# KiCad board ENV_KB_RGB.kicad_pcb (continued)
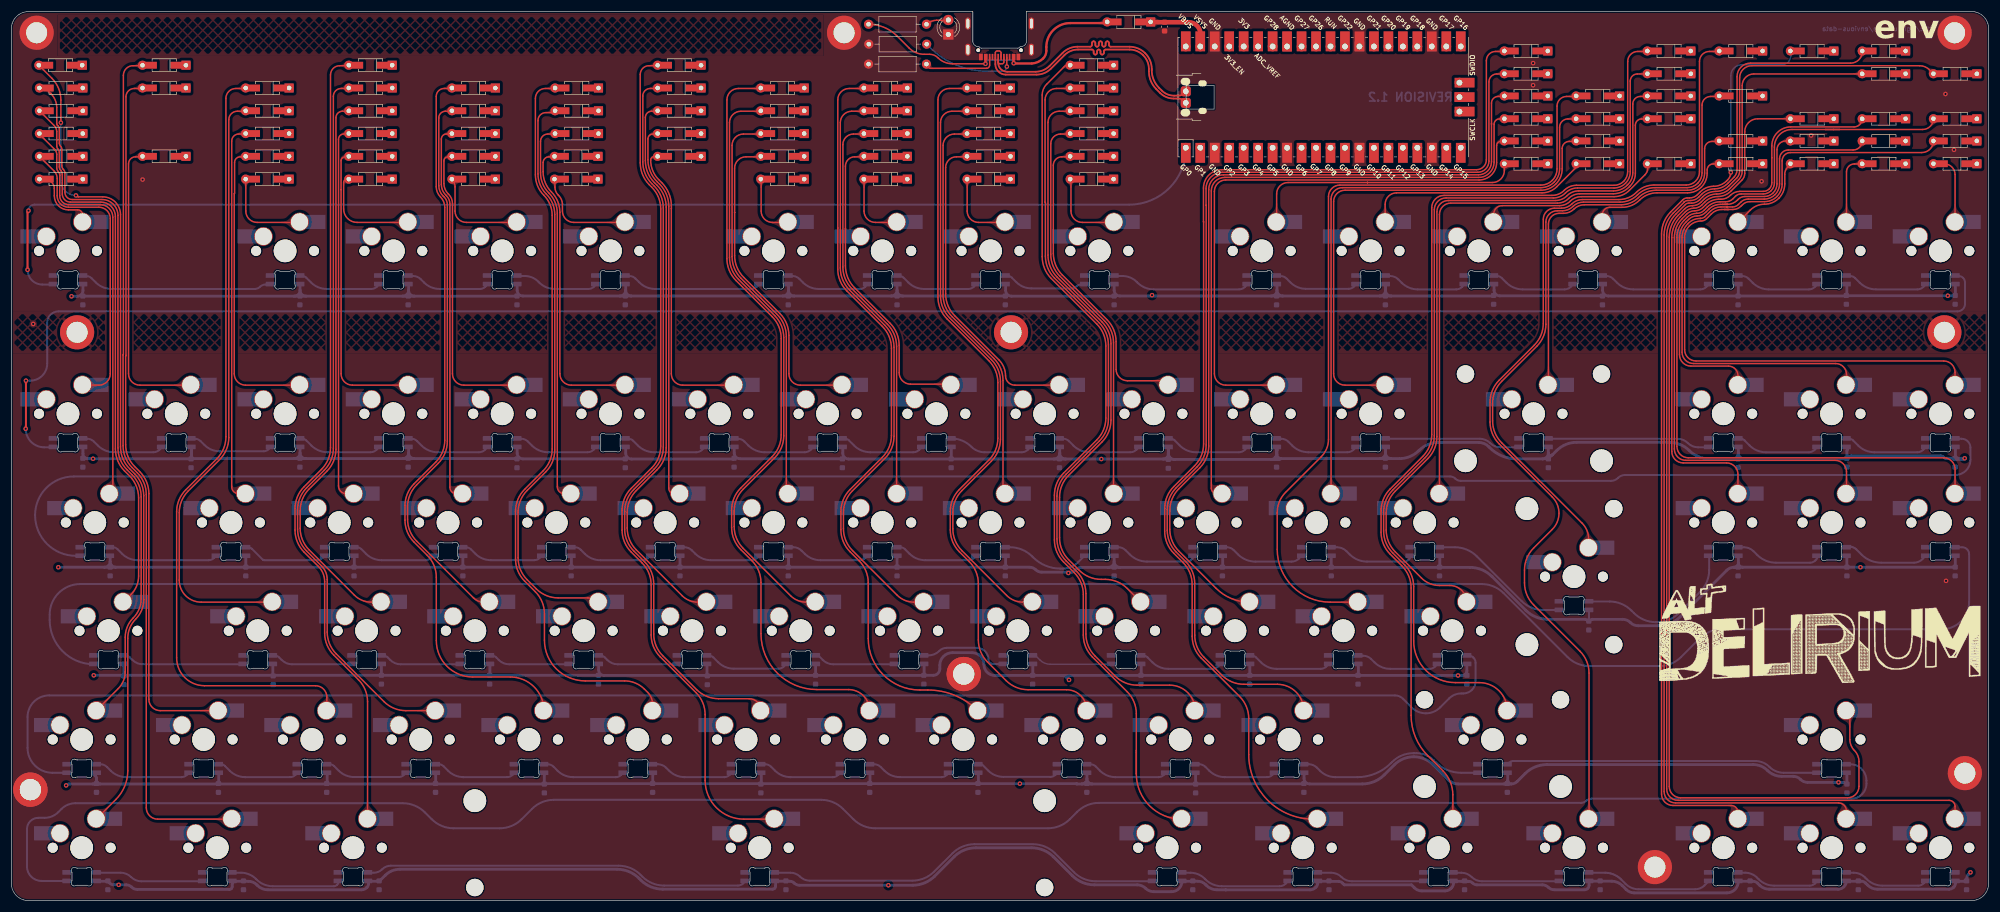
[diagram p0: board, top side]
## Routing (per net, layer and track width the routed paths; a pad name or vN(x,y) marks a point on that pad's centre or on a via; arc(x,y) is an arc through that point) (continued)
col11: length 150.5
  In2.Cu w0.25: 246.79,132.19 245.92,131.31 arc(245.26,130.87) 244.48,130.72 244,130.72 arc(243.67,130.65) 243.38,130.46 arc(243.1,130.27) 242.77,130.21 241.71,130.21 arc(241.38,130.14) 241.1,129.95 arc(240.82,129.77) 240.49,129.7 239.43,129.7 arc(239.09,129.63) 238.81,129.44 arc(238.53,129.26) 238.2,129.19 234.6,129.19 arc(234.27,129.12) 233.99,128.94 arc(233.71,128.75) 233.37,128.68 232.31,128.68 arc(231.98,128.62) 231.7,128.43 arc(231.42,128.24) 231.09,128.18 230.03,128.18 arc(229.7,128.11) 229.42,127.92 arc(229.13,127.73) 228.8,127.67 227.74,127.67 arc(227.41,127.6) 227.13,127.41 arc(226.85,127.23) 226.52,127.16 222.92,127.16 arc(222.58,127.09) 222.3,126.91 arc(222.02,126.72) 221.69,126.65 220.63,126.65 arc(220.3,126.58) 220.02,126.4 arc(219.74,126.21) 219.4,126.14 219,126.14 arc(218.3,126) 217.7,125.6 216.97,124.87 arc(216.03,123.47) 215.7,121.81 215.7,116.54 ; 221.15,30.13 221.15,14.65 arc(221.37,13.55) 222,12.61 ; 211.72,49.08 211.72,41.8 arc(212.14,39.72) 213.32,37.96 220.46,30.81 ; 216.25,115.99 216.25,112.95 arc(216.18,112.58) 215.97,112.28 arc(215.77,111.97) 215.7,111.61 215.7,87.97 ; 216.12,87.54 216.12,85.56 arc(215.76,83.73) 214.73,82.18 207.77,75.22 arc(206.59,73.46) 206.17,71.37 206.17,68.91 ; 210.94,49.87 208.34,52.46 arc(207.16,54.22) 206.75,56.3 206.75,68.34
col12: length 94.8
  In2.Cu w0.25: 225.22,70.03 225.22,71.02 arc(225.61,72.97) 226.71,74.62 233.94,81.85 arc(235,83.43) 235.38,85.31 235.38,87.34 ; 235.25,116.04 235.25,111.46 arc(235.18,111.13) 235,110.85 arc(234.81,110.58) 234.75,110.25 234.75,87.97 ; 251.87,132.19 251.87,130.28 arc(251.66,129.23) 251.07,128.34 arc(250.18,127.74) 249.12,127.53 244.87,127.53 arc(237.71,124.57) 234.75,117.41 ; 229.99,49.87 227.89,51.96 arc(226.71,53.72) 226.3,55.8 226.3,64.84 arc(226.16,65.55) 225.76,66.14 arc(225.36,66.74) 225.22,67.44
col13: length 126.2
  In2.Cu w0.25: 246.65,11.76 248.86,13.97 arc(249.3,14.62) 249.45,15.4 arc(249.6,16.17) 250.04,16.82 253.2,19.98 arc(254.03,21.23) 254.32,22.69 arc(254.62,24.16) 255.45,25.4 255.84,25.8 arc(256.66,27.02) 256.95,28.47 256.95,30.04 ; 249.04,49.87 249.04,53.14 arc(248.62,55.22) 247.44,56.99 246.59,57.84 arc(245.41,59.6) 245,61.68 245,68.19 ; 254.77,115.56 254.77,110.58 arc(254.36,108.5) 253.18,106.74 251.89,105.45 arc(250.71,103.68) 250.3,101.6 250.3,82.43 arc(249.89,80.35) 248.71,78.59 245.87,75.75 arc(244.69,73.98) 244.27,71.9 244.27,68.91 ; 253.8,116.54 253.8,131.14 arc(253.88,131.54) 254.11,131.88 ; 249.77,49.13 249.77,41.98 arc(250.19,39.9) 251.37,38.14 255.29,34.21 arc(255.95,33.23) 256.18,32.07
col14: length 170.5
  In2.Cu w0.25: 263.32,87.97 263.32,99.07 arc(263.74,101.16) 264.92,102.92 272.08,110.08 arc(273.19,111.74) 273.57,113.7 273.57,115.81 ; 264.12,87.16 264.12,80.58 arc(264.54,78.5) 265.72,76.74 268.85,73.6 arc(270.03,71.84) 270.45,69.75 270.45,55.8 arc(270.32,55.17) 269.97,54.64 arc(269.61,54.1) 269.48,53.47 269.48,51.21 arc(269.72,50) 270.41,48.97 arc(271.44,48.28) 272.66,48.03 274.31,48.03 arc(275.34,47.83) 276.21,47.25 arc(276.8,46.37) 277,45.34 277,21.88 arc(276.59,19.8) 275.41,18.04 274.17,16.8 arc(273.65,16.45) 273.04,16.33 arc(272.43,16.21) 271.91,15.86 271.41,15.36 arc(270.71,14.32) 270.47,13.09 ; 244.25,149.97 245.11,149.11 arc(245.79,148.65) 246.59,148.5 247.09,148.5 arc(247.42,148.43) 247.7,148.24 arc(247.98,148.05) 248.32,147.99 251.92,147.99 arc(252.25,147.92) 252.53,147.73 arc(252.81,147.55) 253.14,147.48 253.67,147.48 arc(254.49,147.32) 255.19,146.85 255.2,146.84 arc(255.67,146.14) 255.83,145.31 255.83,128.06 arc(257.6,123.79) 261.88,122.02 267.37,122.02 arc(271.24,120.41) 272.85,116.54
col15: length 178.1
  In2.Cu w0.25: 246.79,149.97 247.53,149.23 arc(248.34,148.69) 249.3,148.5 252.17,148.5 arc(252.5,148.43) 252.78,148.24 arc(253.06,148.05) 253.4,147.99 253.93,147.99 arc(254.75,147.82) 255.44,147.36 255.58,147.22 arc(256.14,146.38) 256.34,145.39 256.34,128.42 arc(258.08,124.21) 262.3,122.47 292.4,122.47 arc(295.41,121.22) 296.66,118.21 296.66,116.54 ; 297.1,88.4 297.1,116.1 ; 297.2,12.3 297.2,68.38 ; 297.27,69.53 297.27,87.35
col16: length 192.7
  In2.Cu w0.25: 316.25,116 316.25,31.35 ; 316.1,12.15 316.1,30.43 ; 251.87,149.97 252.73,149.11 arc(253.41,148.65) 254.21,148.5 arc(255,148.34) 255.68,147.88 255.96,147.61 arc(256.62,146.62) 256.85,145.46 256.85,128.87 arc(258.59,124.66) 262.8,122.92 309.34,122.92 arc(313.84,121.05) 315.71,116.54
col17: length 209.7
  In2.Cu w0.25: 334.76,87.97 334.76,110.77 arc(334.86,111.25) 335.13,111.66 arc(335.4,112.07) 335.5,112.55 335.5,115.8 ; 335.32,87.4 335.32,84.9 arc(335.25,84.54) 335.04,84.22 arc(334.83,83.91) 334.76,83.54 334.76,68.91 ; 334.76,11.76 334.76,63.77 arc(334.86,64.27) 335.14,64.7 arc(335.43,65.12) 335.52,65.62 335.52,68.15 ; 254.41,149.97 256.14,148.24 arc(257.04,146.89) 257.36,145.3 257.36,129.3 arc(259.09,125.1) 263.29,123.37 285.57,123.37 arc(285.57,123.37) 285.58,123.37 arc(285.58,123.37) 285.59,123.38 327.93,123.38 arc(332.76,121.37) 334.76,116.54
LEDPIN: length 225.9
  Top w0.35: v1(2.83,110.76) 2.83,120.86 arc(2.86,120.97) 2.92,121.06 v1(3,121.14)
  Bottom w0.35: 7.36,108.17 5.42,108.17 arc(3.59,108.93) v1(2.83,110.76) ; v1(3,121.14) arc(3.31,121.89) 4.06,122.2 196.17,122.2 arc(203.23,125.12) 206.15,132.19
row0: length 373.9
  In2.Cu w0.25: 345.01,129.38 340.21,129.38 arc(339.33,129.55) 338.58,130.05 338.28,130.35 arc(337.87,130.63) 337.38,130.72 arc(336.9,130.63) 336.49,130.35 336.18,130.05 arc(335.44,129.55) 334.55,129.38 327.66,129.38 arc(326.78,129.55) 326.03,130.05 325.73,130.35 arc(325.32,130.63) 324.83,130.72 arc(324.35,130.63) 323.94,130.35 323.63,130.05 arc(322.89,129.55) 322,129.38 319.91,129.38 ; 12.56,126.6 20.2,126.6 arc(21.09,126.78) 21.83,127.27 22.14,127.58 arc(22.55,127.85) 23.03,127.95 arc(23.52,127.85) 23.93,127.58 24.23,127.27 arc(24.98,126.78) 25.86,126.6 38.3,126.6 arc(39.19,126.78) 39.93,127.27 40.24,127.58 arc(40.65,127.85) 41.13,127.95 arc(41.62,127.85) 42.03,127.58 42.33,127.27 arc(43.08,126.78) 43.96,126.6 56.4,126.6 arc(57.29,126.78) 58.03,127.27 58.34,127.58 arc(58.75,127.85) 59.23,127.95 arc(59.72,127.85) 60.13,127.58 60.43,127.27 arc(61.18,126.78) 62.06,126.6 74.5,126.6 arc(75.39,126.78) 76.13,127.27 76.44,127.58 arc(76.85,127.85) 77.33,127.95 arc(77.82,127.85) 78.23,127.58 78.53,127.27 arc(79.28,126.78) 80.16,126.6 84.96,126.6 ; 139.21,126.6 134.41,126.6 arc(133.53,126.78) 132.78,127.27 132.48,127.58 arc(132.07,127.85) 131.58,127.95 arc(131.1,127.85) 130.69,127.58 130.38,127.27 arc(129.64,126.78) 128.75,126.6 116.31,126.6 arc(115.43,126.78) 114.68,127.27 114.38,127.58 arc(113.97,127.85) 113.48,127.95 arc(113,127.85) 112.59,127.58 112.28,127.28 arc(111.54,126.78) 110.65,126.6 98.21,126.6 arc(97.33,126.78) 96.58,127.27 96.28,127.58 arc(95.87,127.85) 95.38,127.95 arc(94.9,127.85) 94.49,127.58 94.18,127.27 arc(93.44,126.78) 92.55,126.6 84.91,126.6 ; 139.16,126.6 146.8,126.6 arc(147.69,126.78) 148.43,127.27 148.74,127.58 arc(149.15,127.85) 149.63,127.95 arc(150.12,127.85) 150.53,127.58 150.83,127.27 arc(151.58,126.78) 152.46,126.6 164.9,126.6 arc(165.79,126.78) 166.53,127.27 166.84,127.58 arc(167.25,127.85) 167.73,127.95 arc(168.22,127.85) 168.63,127.58 168.93,127.27 arc(169.68,126.78) 170.56,126.6 183,126.6 arc(183.89,126.78) 184.63,127.28 184.94,127.58 arc(185.35,127.85) 185.83,127.95 arc(186.32,127.85) 186.73,127.58 187.03,127.27 arc(187.78,126.78) 188.66,126.6 194.15,126.6 arc(194.8,126.73) 195.34,127.09 195.34,127.09 arc(195.71,127.64) 195.83,128.28 195.83,128.69 arc(196.04,129.7) 196.61,130.56 198.22,132.17 arc(199.98,133.35) 202.06,133.76 206.96,133.76 arc(210.81,134.53) 214.08,136.71 214.95,137.59 arc(215.88,138.98) 216.21,140.62 arc(216.53,142.26) 217.46,143.66 219.22,145.42 arc(219.82,145.81) 220.52,145.95 220.93,145.95 arc(221.26,146.02) 221.54,146.21 arc(221.82,146.4) 222.15,146.46 225.75,146.46 arc(226.09,146.53) 226.37,146.72 arc(226.65,146.9) 226.98,146.97 228.04,146.97 arc(228.37,147.04) 228.65,147.22 arc(228.93,147.41) 229.27,147.48 232.87,147.48 arc(233.2,147.55) 233.48,147.73 arc(233.76,147.92) 234.09,147.99 237.69,147.99 arc(238.02,148.05) 238.31,148.24 arc(238.59,148.43) 238.92,148.5 239.4,148.5 arc(240.18,148.65) 240.84,149.09 242.38,150.63 arc(243.11,151.12) 243.97,151.29 254.85,151.29 arc(256.98,150.41) 257.86,148.28 257.86,137.02 arc(258.26,135.01) 259.4,133.31 259.93,132.77 arc(261.04,132.03) 262.35,131.77 arc(263.65,131.52) 264.76,130.78 264.97,130.56 arc(266.31,129.67) 267.9,129.35 271.8,129.35 arc(272.69,129.53) 273.43,130.02 273.74,130.33 arc(274.15,130.6) 274.63,130.7 arc(275.12,130.6) 275.53,130.33 275.83,130.02 arc(276.58,129.53) 277.46,129.35 284.35,129.35 arc(285.24,129.53) 285.98,130.03 286.29,130.33 arc(286.7,130.6) 287.18,130.7 arc(287.67,130.6) 288.08,130.33 288.38,130.02 arc(289.13,129.53) 290.01,129.35 296.9,129.35 arc(297.79,129.53) 298.53,130.03 298.84,130.33 arc(299.25,130.6) 299.73,130.7 arc(300.22,130.6) 300.63,130.33 300.93,130.02 arc(301.68,129.53) 302.56,129.35 309.45,129.35 arc(310.34,129.53) 311.08,130.03 311.39,130.33 arc(311.8,130.6) 312.28,130.7 arc(312.77,130.6) 313.18,130.33 313.48,130.02 arc(314.23,129.53) 315.11,129.35 319.91,129.35
row2: length 367.2
  In2.Cu w0.25: 84.91,130.6 92.55,130.6 arc(93.44,130.78) 94.18,131.27 94.49,131.58 arc(94.9,131.85) 95.38,131.95 arc(95.87,131.85) 96.28,131.58 96.58,131.27 arc(97.33,130.78) 98.21,130.6 110.65,130.6 arc(111.54,130.78) 112.28,131.27 112.59,131.58 arc(113,131.85) 113.48,131.95 arc(113.97,131.85) 114.38,131.58 114.68,131.27 arc(115.43,130.78) 116.31,130.6 128.75,130.6 arc(129.64,130.78) 130.38,131.27 130.69,131.58 arc(131.1,131.85) 131.58,131.95 arc(132.07,131.85) 132.48,131.58 132.78,131.27 arc(133.53,130.78) 134.41,130.6 139.21,130.6 ; 12.56,130.6 20.2,130.6 arc(21.09,130.78) 21.83,131.27 22.14,131.58 arc(22.55,131.85) 23.03,131.95 arc(23.52,131.85) 23.93,131.58 24.23,131.27 arc(24.98,130.78) 25.86,130.6 38.3,130.6 arc(39.19,130.78) 39.93,131.27 40.24,131.58 arc(40.65,131.85) 41.13,131.95 arc(41.62,131.85) 42.03,131.58 42.33,131.27 arc(43.08,130.78) 43.96,130.6 56.4,130.6 arc(57.29,130.78) 58.03,131.28 58.34,131.58 arc(58.75,131.85) 59.23,131.95 arc(59.72,131.85) 60.13,131.58 60.43,131.27 arc(61.18,130.78) 62.06,130.6 74.5,130.6 arc(75.39,130.78) 76.13,131.27 76.44,131.58 arc(76.85,131.85) 77.33,131.95 arc(77.82,131.85) 78.23,131.58 78.53,131.27 arc(79.28,130.78) 80.16,130.6 84.96,130.6 ; 139.16,130.6 146.8,130.6 arc(147.69,130.78) 148.43,131.28 148.74,131.58 arc(149.15,131.85) 149.63,131.95 arc(150.12,131.85) 150.53,131.58 150.83,131.27 arc(151.58,130.78) 152.46,130.6 164.9,130.6 arc(165.79,130.78) 166.53,131.27 166.84,131.58 arc(167.25,131.85) 167.73,131.95 arc(168.22,131.85) 168.63,131.58 168.93,131.27 arc(169.68,130.78) 170.56,130.6 183,130.6 arc(183.89,130.78) 184.63,131.27 184.94,131.58 arc(185.35,131.85) 185.83,131.95 arc(186.32,131.85) 186.73,131.58 187.03,131.27 arc(187.78,130.78) 188.66,130.6 193.59,130.6 arc(195.68,131.01) 197.44,132.19 197.92,132.68 arc(199.69,133.86) 201.77,134.27 206.74,134.27 arc(210.56,135.03) 213.79,137.19 214.44,137.84 arc(215.37,139.23) 215.7,140.88 arc(216.03,142.52) 216.96,143.91 218.97,145.92 arc(219.57,146.32) 220.27,146.46 220.67,146.46 arc(221.01,146.53) 221.29,146.72 arc(221.57,146.9) 221.9,146.97 225.5,146.97 arc(225.83,147.04) 226.11,147.22 arc(226.39,147.41) 226.73,147.48 227.79,147.48 arc(228.12,147.55) 228.4,147.73 arc(228.68,147.92) 229.01,147.99 232.61,147.99 arc(232.94,148.05) 233.23,148.24 arc(233.51,148.43) 233.84,148.5 236.66,148.5 arc(237.62,148.69) 238.44,149.23 239.83,150.63 arc(240.57,151.12) 241.43,151.29 242.01,151.29 arc(242.34,151.36) 242.62,151.54 arc(242.9,151.73) 243.24,151.8 255.2,151.8 arc(257.44,150.87) 258.37,148.62 258.37,139.96 arc(258.69,138.37) 259.59,137.02 259.79,136.82 arc(260.92,136.06) 262.25,135.8 arc(263.57,135.54) 264.7,134.78 264.94,134.55 arc(266.32,133.62) 267.95,133.3 271.8,133.3 arc(272.69,133.48) 273.43,133.97 273.74,134.28 arc(274.15,134.55) 274.63,134.65 arc(275.12,134.55) 275.53,134.28 275.83,133.97 arc(276.58,133.48) 277.46,133.3 296.9,133.3 arc(297.79,133.48) 298.53,133.98 298.84,134.28 arc(299.25,134.55) 299.73,134.65 arc(300.22,134.55) 300.63,134.28 300.93,133.97 arc(301.68,133.48) 302.56,133.3 309.45,133.3 arc(310.34,133.48) 311.08,133.98 311.39,134.28 arc(311.8,134.55) 312.28,134.65 arc(312.77,134.55) 313.18,134.28 313.48,133.97 arc(314.23,133.48) 315.11,133.3 319.91,133.3 ; 319.91,133.32 322,133.32 arc(322.89,133.5) 323.63,134 323.94,134.3 arc(324.35,134.58) 324.83,134.68 arc(325.32,134.58) 325.73,134.3 326.03,134 arc(326.78,133.5) 327.66,133.32 334.55,133.32 arc(335.44,133.5) 336.18,134 336.49,134.3 arc(336.9,134.58) 337.38,134.68 arc(337.87,134.58) 338.28,134.3 338.58,134 arc(339.33,133.5) 340.21,133.32 345.01,133.32
row3: length 363.1
  In2.Cu w0.25: 345.01,137.25 340.21,137.25 arc(339.33,137.43) 338.58,137.93 338.28,138.23 arc(337.87,138.5) 337.38,138.6 arc(336.9,138.5) 336.49,138.23 336.18,137.93 arc(335.44,137.43) 334.55,137.25 327.66,137.25 arc(326.78,137.43) 326.03,137.93 325.73,138.23 arc(325.32,138.5) 324.83,138.6 arc(324.35,138.5) 323.94,138.23 323.63,137.93 arc(322.89,137.43) 322,137.25 319.91,137.25 ; 139.21,134.6 146.85,134.6 arc(147.74,134.78) 148.48,135.27 148.79,135.58 arc(149.2,135.85) 149.68,135.95 arc(150.17,135.85) 150.58,135.58 150.88,135.27 arc(151.63,134.78) 152.51,134.6 164.95,134.6 arc(165.84,134.78) 166.58,135.28 166.89,135.58 arc(167.3,135.85) 167.78,135.95 arc(168.27,135.85) 168.68,135.58 168.98,135.27 arc(169.73,134.78) 170.61,134.6 183.05,134.6 arc(183.94,134.78) 184.68,135.27 184.99,135.58 arc(185.4,135.85) 185.88,135.95 arc(186.37,135.85) 186.78,135.58 187.08,135.27 arc(187.83,134.78) 188.71,134.6 193.51,134.6 ; 139.26,134.6 134.46,134.6 arc(133.58,134.78) 132.83,135.27 132.53,135.58 arc(132.12,135.85) 131.63,135.95 arc(131.15,135.85) 130.74,135.58 130.43,135.27 arc(129.69,134.78) 128.8,134.6 116.36,134.6 arc(115.48,134.78) 114.73,135.27 114.43,135.58 arc(114.02,135.85) 113.53,135.95 arc(113.05,135.85) 112.64,135.58 112.33,135.27 arc(111.59,134.78) 110.7,134.6 98.26,134.6 arc(97.38,134.78) 96.63,135.27 96.33,135.58 arc(95.92,135.85) 95.43,135.95 arc(94.95,135.85) 94.54,135.58 94.23,135.27 arc(93.49,134.78) 92.6,134.6 84.96,134.6 ; 12.61,134.6 20.25,134.6 arc(21.14,134.78) 21.88,135.27 22.19,135.58 arc(22.6,135.85) 23.08,135.95 arc(23.57,135.85) 23.98,135.58 24.28,135.27 arc(25.03,134.78) 25.91,134.6 38.35,134.6 arc(39.24,134.78) 39.98,135.27 40.29,135.58 arc(40.7,135.85) 41.18,135.95 arc(41.67,135.85) 42.08,135.58 42.38,135.27 arc(43.13,134.78) 44.01,134.6 56.45,134.6 arc(57.34,134.78) 58.08,135.27 58.39,135.58 arc(58.8,135.85) 59.28,135.95 arc(59.77,135.85) 60.18,135.58 60.48,135.27 arc(61.23,134.78) 62.11,134.6 74.55,134.6 arc(75.44,134.78) 76.18,135.28 76.49,135.58 arc(76.9,135.85) 77.38,135.95 arc(77.87,135.85) 78.28,135.58 78.58,135.27 arc(79.33,134.78) 80.21,134.6 85.01,134.6 ; 269.71,137.22 271.8,137.22 arc(272.69,137.4) 273.43,137.9 273.74,138.2 arc(274.15,138.48) 274.63,138.57 arc(275.12,138.48) 275.53,138.2 275.83,137.9 arc(276.58,137.4) 277.46,137.22 284.35,137.22 arc(285.24,137.4) 285.98,137.9 286.29,138.2 arc(286.7,138.48) 287.18,138.57 arc(287.67,138.48) 288.08,138.2 288.38,137.9 arc(289.13,137.4) 290.01,137.22 296.9,137.22 arc(297.79,137.4) 298.53,137.9 298.84,138.2 arc(299.25,138.48) 299.73,138.57 arc(300.22,138.48) 300.63,138.2 300.93,137.9 arc(301.68,137.4) 302.56,137.22 309.45,137.22 arc(310.34,137.4) 311.08,137.9 311.39,138.2 arc(311.8,138.48) 312.28,138.57 arc(312.77,138.48) 313.18,138.2 313.48,137.9 arc(314.23,137.4) 315.11,137.22 319.91,137.22 ; 194.14,134.78 206.72,134.78 arc(210.32,135.5) 213.38,137.54 213.93,138.09 arc(214.86,139.49) 215.19,141.13 arc(215.52,142.77) 216.45,144.16 218.72,146.43 arc(219.31,146.83) 220.02,146.97 220.42,146.97 arc(220.75,147.04) 221.03,147.22 arc(221.31,147.41) 221.65,147.48 225.25,147.48 arc(225.58,147.55) 225.86,147.73 arc(226.14,147.92) 226.47,147.99 227.53,147.99 arc(227.86,148.05) 228.14,148.24 arc(228.43,148.43) 228.76,148.5 231.58,148.5 arc(232.54,148.69) 233.36,149.23 234.75,150.63 arc(235.49,151.12) 236.35,151.29 239.22,151.29 arc(239.55,151.36) 239.83,151.54 arc(240.11,151.73) 240.44,151.8 241.76,151.8 arc(242.09,151.86) 242.37,152.05 arc(242.65,152.24) 242.98,152.31 255.51,152.31 arc(257.89,151.32) 258.88,148.93 258.88,143.34 arc(259.17,141.9) 259.98,140.68 260.16,140.49 arc(261.18,139.81) 262.38,139.57 arc(263.58,139.34) 264.6,138.66 264.85,138.41 arc(266.13,137.55) 267.65,137.25 269.71,137.25
row4: length 321.3
  In2.Cu w0.25: 84.91,138.6 92.55,138.6 arc(93.44,138.78) 94.18,139.27 94.49,139.58 arc(94.9,139.85) 95.38,139.95 arc(95.87,139.85) 96.28,139.58 96.58,139.27 arc(97.33,138.78) 98.21,138.6 110.65,138.6 arc(111.54,138.78) 112.28,139.27 112.59,139.58 arc(113,139.85) 113.48,139.95 arc(113.97,139.85) 114.38,139.58 114.68,139.27 arc(115.43,138.78) 116.31,138.6 128.75,138.6 arc(129.64,138.78) 130.38,139.27 130.69,139.58 arc(131.1,139.85) 131.58,139.95 arc(132.07,139.85) 132.48,139.58 132.78,139.27 arc(133.53,138.78) 134.41,138.6 139.21,138.6 ; 84.96,138.6 80.16,138.6 arc(79.28,138.78) 78.53,139.27 78.23,139.58 arc(77.82,139.85) 77.33,139.95 arc(76.85,139.85) 76.44,139.58 76.13,139.28 arc(75.39,138.78) 74.5,138.6 62.06,138.6 arc(61.18,138.78) 60.43,139.27 60.13,139.58 arc(59.72,139.85) 59.23,139.95 arc(58.75,139.85) 58.34,139.58 58.03,139.27 arc(57.29,138.78) 56.4,138.6 43.96,138.6 arc(43.08,138.78) 42.33,139.27 42.03,139.58 arc(41.62,139.85) 41.13,139.95 arc(40.65,139.85) 40.24,139.58 39.93,139.27 arc(39.19,138.78) 38.3,138.6 25.86,138.6 arc(24.98,138.78) 24.23,139.27 23.93,139.58 arc(23.52,139.85) 23.03,139.95 arc(22.55,139.85) 22.14,139.58 21.83,139.27 arc(21.09,138.78) 20.2,138.6 12.56,138.6 ; 139.16,138.6 146.8,138.6 arc(147.69,138.78) 148.43,139.27 148.74,139.58 arc(149.15,139.85) 149.63,139.95 arc(150.12,139.85) 150.53,139.58 150.83,139.27 arc(151.58,138.78) 152.46,138.6 164.9,138.6 arc(165.79,138.78) 166.53,139.27 166.84,139.58 arc(167.25,139.85) 167.73,139.95 arc(168.22,139.85) 168.63,139.58 168.93,139.27 arc(169.68,138.78) 170.56,138.6 183,138.6 arc(183.89,138.78) 184.63,139.27 184.94,139.58 arc(185.35,139.85) 185.83,139.95 arc(186.32,139.85) 186.73,139.58 187.03,139.27 arc(187.78,138.78) 188.66,138.6 194.88,138.6 arc(196.2,138.34) 197.32,137.59 198.03,136.88 arc(199.79,135.7) 201.87,135.29 206.47,135.29 arc(210.07,136) 213.12,138.04 213.43,138.35 arc(214.36,139.74) 214.68,141.38 arc(215.01,143.03) 215.94,144.42 218.46,146.94 arc(219.06,147.34) 219.76,147.48 220.17,147.48 arc(220.5,147.55) 220.78,147.73 arc(221.06,147.92) 221.39,147.99 224.99,147.99 arc(225.32,148.05) 225.61,148.24 arc(225.89,148.43) 226.22,148.5 226.7,148.5 arc(227.48,148.65) 228.14,149.09 229.68,150.63 arc(230.41,151.12) 231.27,151.29 234.14,151.29 arc(234.47,151.36) 234.75,151.54 arc(235.03,151.73) 235.36,151.8 238.96,151.8 arc(239.29,151.86) 239.57,152.05 arc(239.86,152.24) 240.19,152.31 241.5,152.31 arc(241.83,152.37) 242.12,152.56 arc(242.4,152.75) 242.73,152.81 255.77,152.81 arc(258.33,151.75) 259.39,149.2 259.39,146.84 arc(259.6,145.78) 260.2,144.89 260.85,144.23 arc(261.63,143.71) 262.56,143.52 arc(263.48,143.34) 264.27,142.82 264.72,142.36 arc(266.01,141.5) 267.53,141.2 271.8,141.2 arc(272.69,141.38) 273.43,141.88 273.74,142.18 arc(274.15,142.45) 274.63,142.55 arc(275.12,142.45) 275.53,142.18 275.83,141.88 arc(276.58,141.38) 277.46,141.2 284.35,141.2 arc(285.24,141.38) 285.98,141.88 286.29,142.18 arc(286.7,142.45) 287.18,142.55 arc(287.67,142.45) 288.08,142.18 288.38,141.88 arc(289.13,141.38) 290.01,141.2 296.9,141.2 arc(297.79,141.38) 298.53,141.88 298.84,142.18 arc(299.25,142.45) 299.73,142.55 arc(300.22,142.45) 300.63,142.18 300.93,141.88 arc(301.68,141.38) 302.56,141.2 307.36,141.2
row5: length 345.8
  In2.Cu w0.25: 12.56,142.6 20.2,142.6 arc(21.09,142.78) 21.83,143.27 22.14,143.58 arc(22.55,143.85) 23.03,143.95 arc(23.52,143.85) 23.93,143.58 24.23,143.27 arc(24.98,142.78) 25.86,142.6 38.3,142.6 arc(39.19,142.78) 39.93,143.27 40.24,143.58 arc(40.65,143.85) 41.13,143.95 arc(41.62,143.85) 42.03,143.58 42.33,143.27 arc(43.08,142.78) 43.96,142.6 56.4,142.6 arc(57.29,142.78) 58.03,143.27 58.34,143.58 arc(58.75,143.85) 59.23,143.95 arc(59.72,143.85) 60.13,143.58 60.43,143.27 arc(61.18,142.78) 62.06,142.6 74.5,142.6 arc(75.39,142.78) 76.13,143.27 76.44,143.58 arc(76.85,143.85) 77.33,143.95 arc(77.82,143.85) 78.23,143.58 78.53,143.27 arc(79.28,142.78) 80.16,142.6 84.96,142.6 ; 84.91,142.6 92.55,142.6 arc(93.44,142.78) 94.18,143.27 94.49,143.58 arc(94.9,143.85) 95.38,143.95 arc(95.87,143.85) 96.28,143.58 96.58,143.27 arc(97.33,142.78) 98.21,142.6 110.65,142.6 arc(111.54,142.78) 112.28,143.28 112.59,143.58 arc(113,143.85) 113.48,143.95 arc(113.97,143.85) 114.38,143.58 114.68,143.27 arc(115.43,142.78) 116.31,142.6 128.75,142.6 arc(129.64,142.78) 130.38,143.27 130.69,143.58 arc(131.1,143.85) 131.58,143.95 arc(132.07,143.85) 132.48,143.58 132.78,143.27 arc(133.53,142.78) 134.41,142.6 139.21,142.6 ; 332.48,145.1 327.69,145.1 arc(326.81,145.28) 326.06,145.77 325.75,146.08 arc(325.34,146.35) 324.86,146.45 arc(324.37,146.35) 323.96,146.08 323.66,145.77 arc(322.91,145.28) 322.03,145.1 294.86,145.1 ; 139.16,142.6 146.8,142.6 arc(147.69,142.78) 148.43,143.28 148.74,143.58 arc(149.15,143.85) 149.63,143.95 arc(150.12,143.85) 150.53,143.58 150.83,143.27 arc(151.58,142.78) 152.46,142.6 164.9,142.6 arc(165.79,142.78) 166.53,143.27 166.84,143.58 arc(167.25,143.85) 167.73,143.95 arc(168.22,143.85) 168.63,143.58 168.93,143.27 arc(169.68,142.78) 170.56,142.6 175.53,142.6 arc(175.93,142.52) 176.28,142.29 arc(176.62,142.06) 177.03,141.98 181.94,141.98 arc(183.23,142.24) 184.32,142.97 184.94,143.58 arc(185.35,143.85) 185.83,143.95 arc(186.32,143.85) 186.73,143.58 187.03,143.27 arc(187.78,142.78) 188.66,142.6 194.12,142.6 arc(194.4,142.55) 194.63,142.39 arc(194.78,142.16) 194.83,141.89 194.83,141.45 arc(194.97,140.78) 195.35,140.21 198.17,137.39 arc(199.93,136.21) 202.02,135.8 206.67,135.8 arc(209.85,136.43) 212.54,138.23 212.92,138.6 arc(213.85,139.99) 214.18,141.64 arc(214.5,143.28) 215.43,144.67 218.21,147.45 arc(218.81,147.85) 219.51,147.99 219.91,147.99 arc(220.24,148.05) 220.52,148.24 arc(220.81,148.43) 221.14,148.5 223.96,148.5 arc(224.92,148.69) 225.74,149.23 227.22,150.72 arc(227.86,151.14) 228.61,151.29 229.06,151.29 arc(229.39,151.36) 229.67,151.54 arc(229.95,151.73) 230.28,151.8 233.88,151.8 arc(234.21,151.86) 234.5,152.05 arc(234.78,152.24) 235.11,152.31 238.71,152.31 arc(239.04,152.37) 239.32,152.56 arc(239.6,152.75) 239.93,152.81 241.25,152.81 arc(241.58,152.88) 241.86,153.07 arc(242.14,153.25) 242.47,153.32 256.17,153.32 arc(258.76,152.25) 259.84,149.66 259.84,148.87 arc(260.44,147.43) 261.89,146.82 263.12,146.82 arc(264.19,146.61) 265.11,146 arc(266.02,145.39) 267.1,145.18 269.68,145.18 ; 294.83,145.15 290.04,145.15 arc(289.16,145.33) 288.41,145.82 288.1,146.13 arc(287.69,146.4) 287.21,146.5 arc(286.72,146.4) 286.31,146.13 286.01,145.82 arc(285.26,145.33) 284.38,145.15 269.71,145.15
row6: length 360.1
  In2.Cu w0.25: 332.48,149.1 327.69,149.1 arc(326.81,149.28) 326.06,149.77 325.75,150.08 arc(325.34,150.35) 324.86,150.45 arc(324.37,150.35) 323.96,150.08 323.66,149.78 arc(322.91,149.28) 322.03,149.1 315.14,149.1 arc(314.26,149.28) 313.51,149.77 313.2,150.08 arc(312.79,150.35) 312.31,150.45 arc(311.82,150.35) 311.41,150.08 311.11,149.77 arc(310.36,149.28) 309.48,149.1 302.59,149.1 arc(301.71,149.28) 300.96,149.77 300.65,150.08 arc(300.24,150.35) 299.76,150.45 arc(299.27,150.35) 298.86,150.08 298.56,149.78 arc(297.81,149.28) 296.93,149.1 290.04,149.1 arc(289.16,149.28) 288.41,149.77 288.1,150.08 arc(287.69,150.35) 287.21,150.45 arc(286.72,150.35) 286.31,150.08 286.01,149.77 arc(285.26,149.28) 284.38,149.1 266.98,149.1 arc(265.43,149.74) 264.79,151.29 arc(264.04,153.09) 262.25,153.83 242.22,153.83 arc(241.89,153.76) 241.61,153.57 arc(241.33,153.39) 240.99,153.32 239.68,153.32 arc(239.35,153.25) 239.07,153.07 arc(238.79,152.88) 238.45,152.81 234.85,152.81 arc(234.52,152.75) 234.24,152.56 arc(233.96,152.37) 233.63,152.31 230.03,152.31 arc(229.7,152.24) 229.42,152.05 arc(229.13,151.86) 228.8,151.8 227.74,151.8 arc(227.41,151.73) 227.13,151.54 arc(226.85,151.36) 226.52,151.29 223.65,151.29 arc(222.79,151.12) 222.06,150.63 220.43,149 arc(219.87,148.63) 219.21,148.5 arc(218.55,148.36) 217.99,147.99 214.92,144.93 arc(213.99,143.53) 213.67,141.89 arc(213.34,140.25) 212.41,138.86 212.22,138.67 arc(209.6,136.92) 206.51,136.3 204.76,136.3 arc(204.76,136.3) 204.76,136.3 arc(204.76,136.3) 204.76,136.3 202.15,136.3 arc(200.07,136.71) 198.3,137.89 196.8,139.4 arc(195.79,140.91) 195.43,142.69 195.43,143.23 arc(195.18,144.52) 194.45,145.61 194,146.06 arc(193.65,146.12) 193.46,145.83 arc(193.32,145.12) 192.91,144.52 192.45,144.06 arc(191.34,143.31) 190.03,143.05 188.85,143.05 arc(187.97,143.23) 187.22,143.73 187.05,143.9 arc(186.49,144.27) 185.83,144.4 arc(185.18,144.27) 184.62,143.9 184.17,143.45 arc(183.11,142.74) 181.86,142.49 177.3,142.49 arc(177.08,142.54) 176.88,142.66 arc(176.75,142.86) 176.71,143.09 176.71,143.18 arc(176.65,143.49) 176.47,143.76 176.15,144.08 arc(175.53,144.49) 174.8,144.63 125.47,144.63 arc(124.19,144.89) 123.1,145.62 arc(122.01,146.34) 120.73,146.6 116.26,146.6 arc(115.38,146.78) 114.63,147.27 114.33,147.58 arc(113.92,147.85) 113.43,147.95 arc(112.95,147.85) 112.54,147.58 112.23,147.27 arc(111.49,146.78) 110.6,146.6 62.06,146.6 arc(61.18,146.78) 60.43,147.27 60.13,147.58 arc(59.72,147.85) 59.23,147.95 arc(58.75,147.85) 58.34,147.58 58.03,147.27 arc(57.29,146.78) 56.4,146.6 25.86,146.6 arc(24.98,146.78) 24.23,147.27 23.93,147.58 arc(23.52,147.85) 23.03,147.95 arc(22.55,147.85) 22.14,147.58 21.83,147.27 arc(21.09,146.78) 20.2,146.6 12.56,146.6 ; D88.1 343.1,145.19 arc(341.92,145.42) 340.92,146.09 338.74,148.26 arc(337.82,148.88) 336.73,149.1 332.46,149.1